# Altium PCB Apalis-Smart-Vision-Baseboard.PcbDoc (part 4 of 6)
Units mm, origin at the board's own origin, x right, y up, seen from the top; angles counter-clockwise.
Board outline 100 x 70 mm, 4 copper layers (Top Layer, Power Plane, Ground Plane, Bottom Layer), stack 1.52 mm thick; 202 components, 197 nets, 1190 pads, 441 vias.
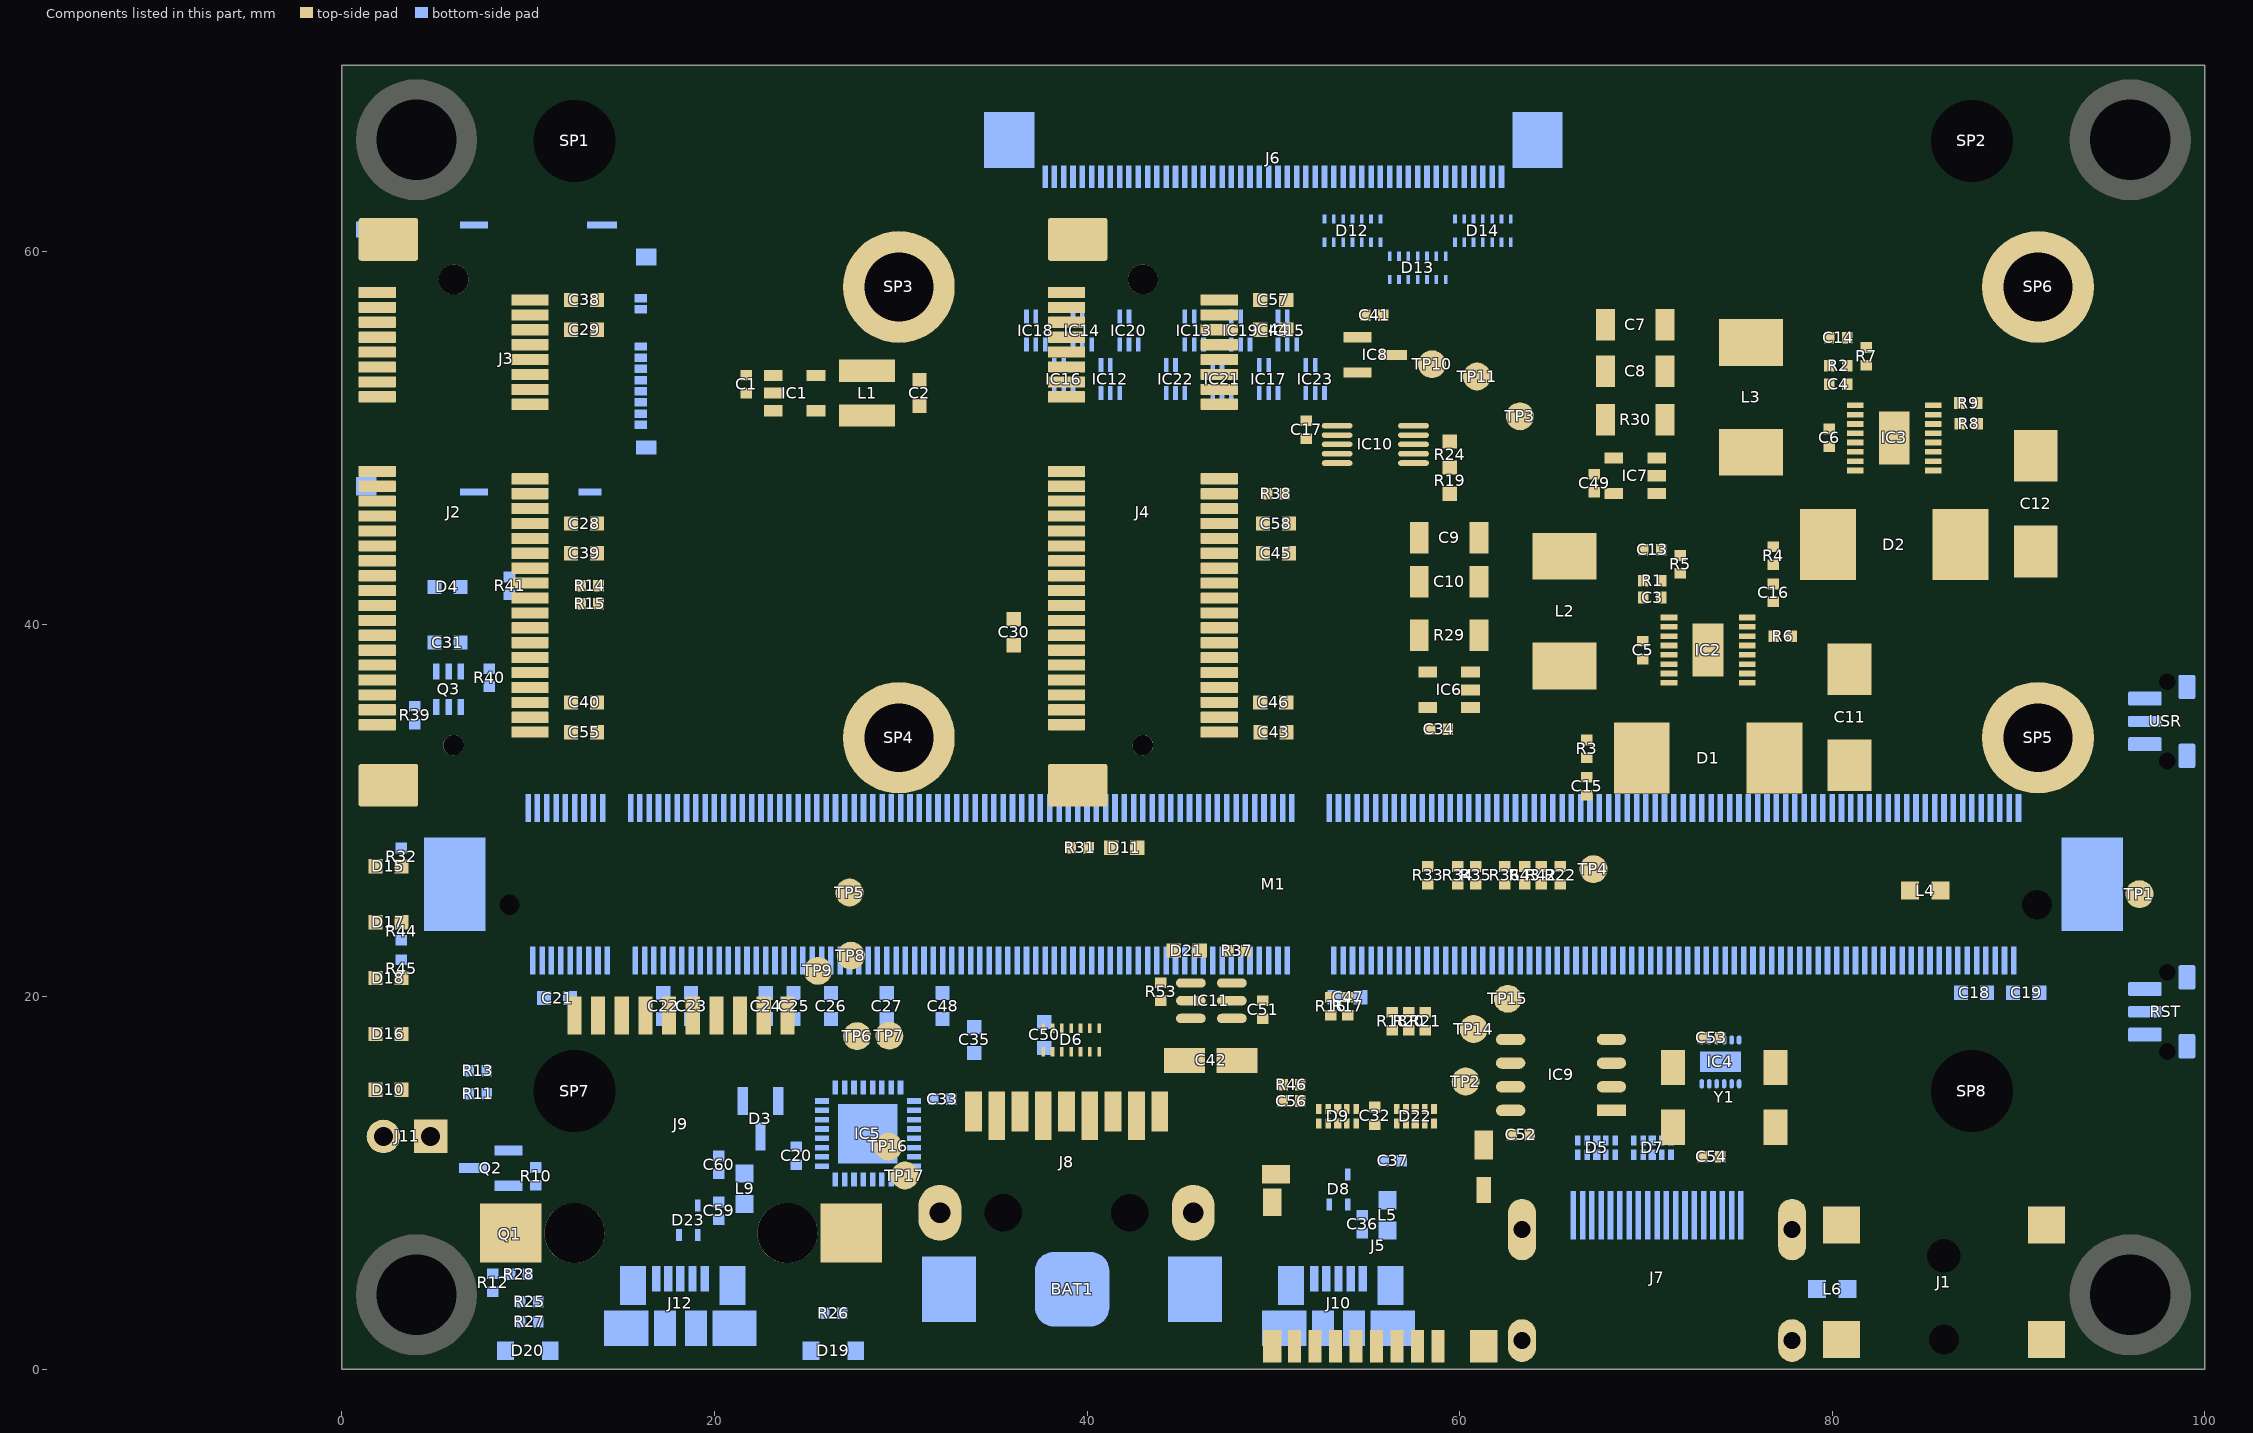
[diagram p6: the components of this part, seen from the top]

## Via types
v1: diameter 0.6, hole 0.25, Top Layer to Bottom Layer, tented both sides, 440 vias
v2: diameter 0.6, hole 0.25, Top Layer to Bottom Layer, 1 vias

## Nets (pads, with @x,y where several pads share a name; then routed paths per layer and width w, separated by ;. In a path a pad name is that pad's centre, name@x,y a point inside that pad or via, vN(x,y) a via of type N, cw(c..) or ccw(c..) an arc to the next point about the centre after c; other vN are vias at no path point) (continued)
copper on no net: (continued)
  Bottom Layer w0.009: 92.266,8.979 92.863,8.979 ; 92.266,8.988 92.863,8.988 ; 92.266,8.998 92.863,8.998 ; 92.266,9.007 92.863,9.007 ; 92.266,9.016 92.863,9.016 ; 92.266,9.025 92.863,9.025 ; 92.266,9.034 92.863,9.034 ; 92.266,9.043 92.863,9.043 ; 92.266,9.053 92.863,9.053 ; 92.266,9.062 92.863,9.062 ; 92.266,9.071 92.863,9.071 ; 92.266,9.08 92.863,9.08 ; 92.266,9.089 92.863,9.089 ; 92.266,9.099 92.413,9.099 ; 92.276,9.108 92.413,9.108 ; 92.276,9.117 92.413,9.117 ; 92.276,9.126 92.413,9.126 ; 92.276,9.135 92.413,9.135 ; 92.276,9.144 92.413,9.144 ; 92.276,9.154 92.422,9.154 ; 92.276,9.163 92.422,9.163 ; 92.276,9.172 92.422,9.172 ; 92.285,8.777 92.799,8.777 ; 92.285,9.181 92.432,9.181 ; 92.285,9.19 92.432,9.19 ; 92.285,9.2 92.441,9.2 ; 92.294,8.768 92.79,8.768 ; 92.294,9.209 92.45,9.209 ; 92.294,9.218 92.45,9.218 ; 92.294,9.227 92.459,9.227 ; 92.303,8.759 92.781,8.759 ; 92.303,8.786 92.808,8.786 ; 92.303,9.236 92.468,9.236 ; 92.303,9.245 92.487,9.245 ; 92.312,8.75 92.771,8.75 ; 92.312,8.796 92.505,8.796 ; 92.312,9.255 92.505,9.255 ; 92.312,9.264 92.533,9.264 ; 92.321,8.74 92.762,8.74 ; 92.321,8.805 92.478,8.805 ; 92.321,9.273 92.799,9.273 ; 92.331,8.731 92.762,8.731 ; 92.331,8.814 92.45,8.814 ; 92.331,9.282 92.799,9.282 ; 92.34,8.722 92.744,8.722 ; 92.34,8.823 92.441,8.823 ; 92.34,9.291 92.79,9.291 ; 92.349,9.301 92.781,9.301 ; 92.349,9.31 92.771,9.31 ; 92.358,8.713 92.735,8.713 ; 92.358,8.832 92.422,8.832 ; 92.358,9.319 92.771,9.319 ; 92.367,8.841 92.413,8.841 ; 92.377,8.704 92.716,8.704 ; 92.377,8.851 92.395,8.851 ; 92.377,9.328 92.753,9.328 ; 92.386,9.337 92.744,9.337 ; 92.395,8.695 92.698,8.695 ; 92.395,9.346 92.735,9.346 ; 92.413,8.685 92.68,8.685 ; 92.413,9.356 92.725,9.356 ; 92.432,9.365 92.707,9.365 ; 92.441,8.676 92.661,8.676 ; 92.45,9.374 92.689,9.374 ; 92.468,8.667 92.615,8.667 ; 92.468,9.383 92.661,9.383 ; 92.505,9.392 92.624,9.392 ; 92.588,8.796 92.808,8.796 ; 92.606,9.264 92.808,9.264 ; 92.624,8.805 92.817,8.805 ; 92.634,9.255 92.817,9.255 ; 92.643,8.814 92.817,8.814 ; 92.652,8.823 92.826,8.823 ; 92.652,9.245 92.817,9.245 ; 92.661,9.236 92.817,9.236 ; 92.67,8.832 92.826,8.832 ; 92.67,9.227 92.826,9.227 ; 92.68,8.841 92.836,8.841 ; 92.68,9.218 92.826,9.218 ; 92.689,8.851 92.836,8.851 ; 92.689,8.86 92.836,8.86 ; 92.689,9.209 92.836,9.209 ; 92.698,8.869 92.845,8.869 ; 92.698,8.878 92.845,8.878 ; 92.698,9.19 92.836,9.19 ; 92.698,9.2 92.836,9.2 ; 92.707,8.887 92.845,8.887 ; 92.707,8.897 92.845,8.897 ; 92.707,9.172 92.845,9.172 ; 92.707,9.181 92.845,9.181 ; 92.716,8.906 92.854,8.906 ; 92.716,8.915 92.854,8.915 ; 92.716,8.924 92.854,8.924 ; 92.716,8.933 92.854,8.933 ; 92.716,9.126 92.854,9.126 ; 92.716,9.135 92.854,9.135 ; 92.716,9.144 92.854,9.144 ; 92.716,9.154 92.845,9.154 ; 92.716,9.163 92.845,9.163 ; 92.725,8.942 92.854,8.942 ; 92.725,8.952 92.854,8.952 ; 92.725,8.961 92.854,8.961 ; 92.725,8.97 92.863,8.97 ; 92.725,9.099 92.854,9.099 ; 92.725,9.108 92.854,9.108 ; 92.725,9.117 92.854,9.117 ; 92.909,8.786 93.423,8.786 ; 92.909,9.273 93.423,9.273 ; 92.918,8.777 93.414,8.777 ; 92.918,9.282 93.414,9.282 ; 92.927,8.768 93.414,8.768 ; 92.927,8.796 93.432,8.796 ; 92.927,9.264 93.432,9.264 ; 92.927,9.291 93.414,9.291 ; 92.937,8.759 93.405,8.759 ; 92.937,8.805 93.12,8.805 ; 92.937,9.255 93.12,9.255 ; 92.937,9.301 93.405,9.301 ; 92.946,8.75 93.396,8.75 ; 92.946,8.814 93.093,8.814 ; 92.946,9.245 93.093,9.245 ; 92.946,9.31 93.396,9.31 ; 92.955,8.74 93.387,8.74 ; 92.955,8.823 93.074,8.823 ; 92.955,9.236 93.074,9.236 ; 92.955,9.319 93.387,9.319 ; 92.964,8.731 93.377,8.731 ; 92.964,8.832 93.056,8.832 ; 92.964,9.227 93.056,9.227 ; 92.964,9.328 93.377,9.328 ; 92.973,8.722 93.359,8.722 ; 92.973,8.841 93.047,8.841 ; 92.973,9.218 93.047,9.218 ; 92.983,8.851 93.038,8.851 ; 92.983,9.209 93.038,9.209 ; 92.983,9.337 93.359,9.337 ; 92.992,8.713 93.35,8.713 ; 92.992,8.86 93.028,8.86 ; 92.992,9.2 93.028,9.2 ; 92.992,9.346 93.35,9.346 ; 93.001,8.869 93.019,8.869 ; 93.001,9.19 93.019,9.19 ; 93.01,8.704 93.331,8.704 ; 93.01,9.356 93.331,9.356 ; 93.019,8.695 93.313,8.695 ; 93.019,9.365 93.313,9.365 ; 93.047,8.685 93.295,8.685 ; 93.047,9.374 93.295,9.374 ; 93.047,11.789 95.076,11.789 ; 93.047,11.798 95.076,11.798 ; 93.047,11.807 95.067,11.807 ; 93.047,11.816 95.067,11.816 ; 93.047,11.826 95.058,11.826 ; 93.047,11.835 95.058,11.835 ; 93.047,11.844 95.058,11.844 ; 93.047,11.853 95.048,11.853 ; 93.047,11.862 95.048,11.862 ; 93.047,11.871 95.048,11.871 ; 93.047,11.881 95.039,11.881 ; 93.047,11.89 95.039,11.89 ; 93.047,11.899 95.039,11.899 ; 93.047,11.908 95.03,11.908 ; 93.047,11.917 95.03,11.917 ; 93.047,11.927 95.03,11.927 ; 93.047,11.936 95.021,11.936 ; 93.047,11.945 95.021,11.945 ; 93.047,11.954 95.021,11.954 ; 93.047,11.963 95.021,11.963 ; 93.047,11.972 95.012,11.972 ; 93.047,11.982 95.012,11.982 ; 93.047,11.991 95.012,11.991 ; 93.047,12 95.012,12 ; 93.047,12.009 95.012,12.009 ; 93.047,12.018 95.003,12.018 ; 93.047,12.028 95.003,12.028 ; 93.047,12.037 95.003,12.037 ; 93.047,12.046 95.003,12.046 ; 93.047,12.055 95.003,12.055 ; 93.047,12.064 95.003,12.064 ; 93.047,12.073 95.003,12.073 ; 93.047,12.083 95.003,12.083 ; 93.047,12.092 95.003,12.092 ; 93.047,12.101 95.003,12.101 ; 93.047,12.11 95.003,12.11 ; 93.047,12.119 95.003,12.119 ; 93.047,12.129 94.993,12.129 ; 93.047,12.138 95.003,12.138 ; 93.047,12.147 95.003,12.147 ; 93.047,12.156 95.003,12.156 ; 93.047,12.165 95.003,12.165 ; 93.047,12.174 95.003,12.174 ; 93.047,12.184 95.003,12.184 ; 93.047,12.193 95.003,12.193 ; 93.047,12.202 95.003,12.202 ; 93.047,12.211 95.003,12.211 ; 93.047,12.22 95.003,12.22 ; 93.047,12.23 95.003,12.23 ; 93.047,12.239 95.003,12.239 ; 93.047,12.248 95.012,12.248 ; 93.047,12.257 95.012,12.257 ; 93.047,12.266 95.012,12.266 ; 93.047,12.275 95.012,12.275 ; 93.047,12.285 95.012,12.285 ; 93.047,12.294 95.012,12.294 ; 93.047,12.303 95.021,12.303 ; 93.047,12.312 95.021,12.312 ; 93.047,12.321 95.021,12.321 ; 93.047,12.331 95.021,12.331 ; 93.047,12.34 95.03,12.34 ; 93.047,12.349 95.03,12.349 ; 93.047,12.358 95.03,12.358 ; 93.047,12.367 95.039,12.367 ; 93.047,12.376 95.039,12.376 ; 93.047,12.386 95.039,12.386 ; 93.047,12.395 95.048,12.395 ; 93.047,12.404 95.048,12.404 ; 93.047,12.413 95.048,12.413 ; 93.047,12.422 95.058,12.422 ; 93.047,12.432 95.058,12.432 ; 93.047,12.441 95.067,12.441 ; 93.047,12.45 95.067,12.45 ; 93.047,12.459 95.076,12.459 ; 93.047,12.468 95.076,12.468 ; 93.047,12.477 95.085,12.477 ; 93.047,12.487 95.085,12.487 ; 93.056,7.831 93.653,7.831 ; 93.056,7.841 93.653,7.841 ; 93.056,7.85 93.653,7.85 ; 93.056,7.859 93.653,7.859 ; 93.056,7.868 93.653,7.868 ; 93.056,7.886 93.653,7.886 ; 93.056,7.896 93.653,7.896 ; 93.056,7.905 93.653,7.905 ; 93.056,7.914 93.653,7.914 ; 93.056,7.923 93.653,7.923 ; 93.056,7.932 93.653,7.932 ; 93.056,11.77 95.085,11.77 ; 93.056,11.78 95.085,11.78 ; 93.056,12.496 95.094,12.496 ; 93.065,7.877 93.653,7.877 ; 93.065,7.942 93.203,7.942 ; 93.065,7.951 93.203,7.951 ; 93.065,7.96 93.203,7.96 ; 93.065,7.969 93.203,7.969 ; 93.065,7.978 93.203,7.978 ; 93.065,7.988 93.203,7.988 ; 93.065,7.997 93.212,7.997 ; 93.065,8.006 93.212,8.006 ; 93.065,8.015 93.212,8.015 ; 93.065,8.676 93.267,8.676 ; 93.065,12.505 95.094,12.505 ; 93.074,8.024 93.221,8.024 ; 93.074,8.033 93.221,8.033 ; 93.074,8.043 93.23,8.043 ; 93.074,8.052 93.23,8.052 ; 93.074,9.383 93.267,9.383 ; 93.074,11.761 95.094,11.761 ; 93.084,7.62 93.579,7.62 ; 93.084,7.629 93.589,7.629 ; 93.084,8.061 93.24,8.061 ; 93.084,8.07 93.249,8.07 ; 93.093,7.611 93.579,7.611 ; 93.093,7.639 93.598,7.639 ; 93.093,8.079 93.258,8.079 ; 93.093,8.089 93.267,8.089 ; 93.102,7.602 93.57,7.602 ; 93.102,7.648 93.286,7.648 ; 93.102,8.098 93.286,8.098 ; 93.102,8.107 93.304,8.107 ; 93.102,8.667 93.24,8.667 ; 93.102,9.392 93.23,9.392 ; 93.102,12.514 95.104,12.514 ; 93.111,7.593 93.561,7.593 ; 93.111,8.116 93.35,8.116 ; 93.111,8.125 93.589,8.125 ; 93.111,11.752 95.094,11.752 ; 93.12,7.584 93.552,7.584 ; 93.12,7.657 93.258,7.657 ; 93.12,8.134 93.579,8.134 ; 93.129,7.574 93.543,7.574 ; 93.129,7.666 93.24,7.666 ; 93.129,8.144 93.579,8.144 ; 93.139,7.675 93.221,7.675 ; 93.139,8.153 93.57,8.153 ; 93.148,7.565 93.524,7.565 ; 93.148,7.684 93.212,7.684 ; 93.148,8.162 93.561,8.162 ; 93.148,12.523 95.104,12.523 ; 93.157,7.556 93.515,7.556 ; 93.157,7.694 93.194,7.694 ; 93.157,8.171 93.552,8.171 ; 93.157,11.743 95.104,11.743 ; 93.166,7.703 93.185,7.703 ; 93.166,8.18 93.543,8.18 ; 93.175,7.547 93.497,7.547 ; 93.175,8.19 93.533,8.19 ; 93.194,7.538 93.478,7.538 ; 93.194,8.199 93.524,8.199 ; 93.194,12.533 95.113,12.533 ; 93.203,8.208 93.506,8.208 ; 93.212,8.805 93.442,8.805 ; 93.212,9.255 93.442,9.255 ; 93.212,11.734 95.113,11.734 ; 93.221,7.528 93.46,7.528 ; 93.221,8.217 93.488,8.217 ; 93.24,8.226 93.469,8.226 ; 93.24,8.814 93.442,8.814 ; 93.24,9.245 93.442,9.245 ; 93.249,7.519 93.423,7.519 ; 93.249,12.542 95.122,12.542 ; 93.258,8.823 93.451,8.823 ; 93.258,9.236 93.451,9.236 ; 93.258,11.725 95.113,11.725 ; 93.276,8.235 93.442,8.235 ; 93.276,8.832 93.451,8.832 ; 93.276,9.227 93.451,9.227 ; 93.286,8.841 93.46,8.841 ; 93.286,9.218 93.46,9.218 ; 93.295,8.851 93.46,8.851 ; 93.295,9.209 93.46,9.209 ; 93.295,12.551 95.122,12.551 ; 93.304,8.86 93.469,8.86 ; 93.304,9.2 93.46,9.2 ; 93.304,11.715 95.122,11.715 ; 93.313,8.869 93.469,8.869 ; 93.313,9.19 93.469,9.19 ; 93.322,7.51 93.35,7.51 ; 93.322,8.245 93.396,8.245 ; 93.322,8.878 93.469,8.878 ; 93.322,8.887 93.469,8.887 ; 93.322,9.172 93.469,9.172 ; 93.322,9.181 93.469,9.181 ; 93.331,8.897 93.478,8.897 ; 93.331,8.906 93.478,8.906 ; 93.331,8.915 93.478,8.915 ; 93.331,9.144 93.478,9.144 ; 93.331,9.154 93.478,9.154 ; 93.331,9.163 93.478,9.163 ; 93.341,8.924 93.478,8.924 ; 93.341,8.933 93.488,8.933 ; 93.341,8.942 93.488,8.942 ; 93.341,8.952 93.488,8.952 ; 93.341,9.108 93.488,9.108 ; 93.341,9.117 93.488,9.117 ; 93.341,9.126 93.488,9.126 ; 93.341,9.135 93.478,9.135 ; 93.341,12.56 95.131,12.56 ; 93.35,8.961 93.488,8.961 ; 93.35,8.97 93.488,8.97 ; 93.35,8.979 93.488,8.979 ; 93.35,8.988 93.488,8.988 ; 93.35,8.998 93.488,8.998 ; 93.35,9.007 93.488,9.007 ; 93.35,9.016 93.488,9.016 ; 93.35,9.025 93.497,9.025 ; 93.35,9.034 93.497,9.034 ; 93.35,9.043 93.488,9.043 ; 93.35,9.053 93.488,9.053 ; 93.35,9.062 93.488,9.062 ; 93.35,9.071 93.488,9.071 ; 93.35,9.08 93.488,9.08 ; 93.35,9.089 93.488,9.089 ; 93.35,9.099 93.488,9.099 ; 93.359,11.706 95.131,11.706 ; 93.368,8.116 93.598,8.116 ; 93.396,7.648 93.598,7.648 ; 93.396,12.569 95.14,12.569 ; 93.405,11.697 95.131,11.697 ; 93.414,8.107 93.598,8.107 ; 93.423,7.657 93.607,7.657 ; 93.432,8.098 93.607,8.098 ; 93.442,7.666 93.607,7.666 ; 93.442,12.578 95.14,12.578 ; 93.451,7.675 93.616,7.675 ; 93.451,8.089 93.607,8.089 ; 93.451,11.688 95.14,11.688 ; 93.46,7.684 93.616,7.684 ; 93.46,8.079 93.616,8.079 ; 93.469,7.694 93.625,7.694 ; 93.469,8.07 93.616,8.07 ; 93.478,7.703 93.625,7.703 ; 93.478,8.061 93.625,8.061 ; 93.488,7.712 93.634,7.712 ; 93.488,7.721 93.634,7.721 ; 93.488,8.043 93.634,8.043 ; 93.488,8.052 93.625,8.052 ; 93.488,9.337 93.791,9.337 ; 93.488,9.346 93.781,9.346 ; 93.497,7.73 93.634,7.73 ; 93.497,7.74 93.634,7.74 ; 93.497,8.024 93.634,8.024 ; 93.497,8.033 93.634,8.033 ; 93.497,9.328 93.8,9.328 ; 93.497,9.356 93.772,9.356 ; 93.497,12.588 95.149,12.588 ; 93.506,7.749 93.644,7.749 ; 93.506,7.758 93.644,7.758 ; 93.506,7.767 93.644,7.767 ; 93.506,7.776 93.644,7.776 ; 93.506,7.988 93.644,7.988 ; 93.506,7.997 93.644,7.997 ; 93.506,8.006 93.644,8.006 ; 93.506,8.015 93.634,8.015 ; 93.506,9.319 93.809,9.319 ; 93.506,11.679 95.149,11.679 ; 93.515,7.785 93.644,7.785 ; 93.515,7.795 93.644,7.795 ; 93.515,7.804 93.653,7.804 ; 93.515,7.813 93.653,7.813 ; 93.515,7.822 93.653,7.822 ; 93.515,7.942 93.653,7.942 ; 93.515,7.951 93.653,7.951 ; 93.515,7.96 93.644,7.96 ; 93.515,7.969 93.644,7.969 ; 93.515,7.978 93.644,7.978 ; 93.515,9.31 93.965,9.31 ; 93.515,9.365 93.754,9.365 ; 93.524,9.301 93.965,9.301 ; 93.533,9.282 93.965,9.282 ; 93.533,9.291 93.965,9.291 ; 93.533,9.374 93.745,9.374 ; 93.543,9.273 93.965,9.273 ; 93.543,12.597 95.159,12.597 ; 93.552,9.264 93.965,9.264 ; 93.552,9.383 93.717,9.383 ; 93.552,11.669 95.149,11.669 ; 93.561,9.255 93.644,9.255 ; 93.57,9.245 93.625,9.245 ; 93.579,9.227 93.589,9.227 ; 93.579,9.236 93.607,9.236 ; 93.579,9.392 93.69,9.392 ; 93.589,10.476 95.085,10.476 ; 93.589,10.485 95.085,10.485 ; 93.589,12.606 95.168,12.606 ; 93.589,13.781 97.932,13.781 ; 93.589,13.79 97.932,13.79 ; 93.598,10.457 95.076,10.457 ; 93.598,10.467 95.076,10.467 ; 93.598,10.494 95.085,10.494 ; 93.598,10.503 95.094,10.503 ; 93.598,13.763 97.922,13.763 ; 93.598,13.772 97.922,13.772 ; 93.598,13.8 97.922,13.8 ; 93.598,13.809 97.922,13.809 ; 93.607,10.448 95.067,10.448 ; 93.607,10.513 95.094,10.513 ; 93.607,10.522 95.104,10.522 ; 93.607,11.66 95.159,11.66 ; 93.607,13.754 97.913,13.754 ; 93.607,13.818 97.913,13.818 ; 93.616,10.439 95.067,10.439 ; 93.616,10.531 95.104,10.531 ; 93.616,13.735 97.904,13.735 ; 93.616,13.745 97.904,13.745 ; 93.616,13.827 97.904,13.827 ; 93.625,10.43 95.067,10.43 ; 93.625,10.54 95.113,10.54 ; 93.625,10.549 95.113,10.549 ; 93.625,13.726 97.895,13.726 ; 93.625,13.836 97.895,13.836 ; 93.634,10.421 95.058,10.421 ; 93.634,10.558 95.113,10.558 ; 93.634,13.708 97.886,13.708 ; 93.634,13.717 97.886,13.717 ; 93.634,13.846 97.886,13.846 ; 93.644,10.412 95.058,10.412 ; 93.644,10.568 95.122,10.568 ; 93.644,10.577 95.122,10.577 ; 93.644,12.615 95.168,12.615 ; 93.644,13.699 97.876,13.699 ; 93.644,13.855 97.876,13.855 ; 93.653,10.402 95.048,10.402 ; 93.653,10.586 95.131,10.586 ; 93.653,11.651 95.168,11.651 ; 93.653,13.68 97.867,13.68 ; 93.653,13.689 97.867,13.689 ; 93.653,13.864 97.867,13.864 ; 93.662,10.393 95.048,10.393 ; 93.662,10.595 95.131,10.595 ; 93.662,13.671 97.858,13.671 ; 93.662,13.873 97.858,13.873 ; 93.671,8.19 93.974,8.19 ; 93.671,8.199 93.965,8.199 ; 93.671,10.384 95.039,10.384 ; 93.671,10.604 95.131,10.604 ; 93.671,10.614 95.14,10.614 ; 93.671,13.653 97.849,13.653 ; 93.671,13.662 97.849,13.662 ; 93.671,13.882 97.849,13.882 ; 93.68,8.18 93.983,8.18 ; 93.68,8.208 93.947,8.208 ; 93.68,10.375 95.039,10.375 ; 93.68,10.623 95.14,10.623 ; 93.68,13.644 97.84,13.644 ; 93.68,13.891 97.84,13.891 ; 93.69,8.162 94.149,8.162 ; 93.69,8.171 93.993,8.171 ; 93.69,10.366 95.039,10.366 ; 93.69,10.632 95.149,10.632 ; 93.69,10.641 95.149,10.641 ; 93.69,12.624 95.177,12.624 ; 93.69,13.625 97.831,13.625 ; 93.69,13.634 97.831,13.634 ; 93.69,13.901 94.709,13.901 ; 93.699,8.153 94.149,8.153 ; 93.699,8.217 93.937,8.217 ; 93.699,10.356 95.03,10.356 ; 93.699,10.65 95.149,10.65 ; 93.699,11.642 95.177,11.642 ; 93.699,13.616 97.821,13.616 ; 93.699,13.91 94.69,13.91 ; 93.708,8.144 94.149,8.144 ; 93.708,10.347 95.03,10.347 ; 93.708,10.659 95.159,10.659 ; 93.708,10.669 95.159,10.669 ; 93.708,13.607 97.812,13.607 ; 93.708,13.919 94.681,13.919 ; 93.717,8.134 94.149,8.134 ; 93.717,8.226 93.919,8.226 ; 93.717,9.255 93.965,9.255 ; 93.717,10.338 94.672,10.338 ; 93.717,10.678 95.168,10.678 ; 93.717,13.588 97.803,13.588 ; 93.717,13.598 97.803,13.598 ; 93.717,13.928 94.672,13.928 ; 93.726,8.125 94.149,8.125 ; 93.726,10.329 94.654,10.329 ; 93.726,10.687 95.168,10.687 ; 93.726,10.696 95.177,10.696 ; 93.726,13.579 97.794,13.579 ; 93.726,13.937 94.654,13.937 ; 93.735,8.107 93.846,8.107 ; 93.735,8.116 94.149,8.116 ; 93.735,10.32 94.635,10.32 ; 93.735,10.705 95.177,10.705 ; 93.735,11.633 95.186,11.633 ; 93.735,12.634 95.186,12.634 ; 93.735,13.561 97.785,13.561 ; 93.735,13.57 97.785,13.57 ; 93.735,13.947 94.644,13.947 ; 93.745,8.098 93.809,8.098 ; 93.745,8.235 93.892,8.235 ; 93.745,9.245 93.965,9.245 ; 93.745,10.311 94.626,10.311 ; 93.745,10.715 95.177,10.715 ; 93.745,10.724 95.186,10.724 ; 93.745,13.552 97.775,13.552 ; 93.745,13.956 94.626,13.956 ; 93.754,8.089 93.791,8.089 ; 93.754,10.301 94.608,10.301 ; 93.754,10.733 95.186,10.733 ; 93.754,11.614 95.195,11.614 ; 93.754,11.624 95.195,11.624 ; 93.754,12.643 95.195,12.643 ; 93.754,13.533 97.766,13.533 ; 93.754,13.543 97.766,13.543 ; 93.754,13.965 94.617,13.965 ; 93.763,8.079 93.781,8.079 ; 93.763,9.236 93.965,9.236 ; 93.763,10.292 94.599,10.292 ; 93.763,10.742 95.195,10.742 ; 93.763,11.605 95.205,11.605 ; 93.763,13.524 97.757,13.524 ; 93.763,13.974 94.599,13.974 ; 93.772,8.245 93.846,8.245 ; 93.772,9.227 93.965,9.227 ; 93.772,10.283 94.58,10.283 ; 93.772,10.751 95.195,10.751 ; 93.772,10.76 95.195,10.76 ; 93.772,11.578 95.241,11.578 ; 93.772,11.587 95.223,11.587 ; 93.772,11.596 95.214,11.596 ; 93.772,12.652 95.205,12.652 ; 93.772,13.506 97.748,13.506 ; 93.772,13.515 97.748,13.515 ; 93.772,13.983 94.589,13.983 ; 93.781,9.218 93.965,9.218 ; 93.781,10.274 94.571,10.274 ; 93.781,10.77 95.205,10.77 ; 93.781,11.559 95.26,11.559 ; 93.781,11.568 95.25,11.568 ; 93.781,12.661 95.214,12.661 ; 93.781,12.67 95.223,12.67 ; 93.781,13.497 97.739,13.497 ; 93.781,13.992 94.571,13.992 ; 93.791,9.209 93.965,9.209 ; 93.791,10.265 94.562,10.265 ; 93.791,10.779 95.205,10.779 ; 93.791,10.788 95.214,10.788 ; 93.791,11.532 95.287,11.532 ; 93.791,11.541 95.278,11.541 ; 93.791,11.55 95.269,11.55 ; 93.791,12.679 95.232,12.679 ; 93.791,12.689 95.241,12.689 ; 93.791,13.478 97.73,13.478 ; 93.791,13.487 97.73,13.487 ; 93.791,14.002 94.562,14.002 ; 93.8,9.2 93.965,9.2 ; 93.8,10.255 94.543,10.255 ; 93.8,10.797 95.214,10.797 ; 93.8,11.513 95.315,11.513 ; 93.8,11.523 95.306,11.523 ; 93.8,12.698 95.25,12.698 ; 93.8,12.707 95.26,12.707 ; 93.8,12.716 95.269,12.716 ; 93.8,13.469 97.72,13.469 ; 93.8,14.011 94.543,14.011 ; 93.809,9.181 93.965,9.181 ; 93.809,9.19 93.965,9.19 ; 93.809,10.246 94.534,10.246 ; 93.809,10.806 95.223,10.806 ; 93.809,10.816 95.223,10.816 ; 93.809,11.486 95.351,11.486 ; 93.809,11.495 95.342,11.495 ; 93.809,11.504 95.324,11.504 ; 93.809,12.725 95.287,12.725 ; 93.809,12.735 95.296,12.735 ; 93.809,13.451 97.711,13.451 ; 93.809,13.46 97.711,13.46 ; 93.809,14.02 94.534,14.02 ; 93.818,9.154 93.965,9.154 ; 93.818,9.163 93.965,9.163 ; 93.818,9.172 93.965,9.172 ; 93.818,10.237 94.516,10.237 ; 93.818,10.825 95.223,10.825 ; 93.818,11.467 95.379,11.467 ; 93.818,11.477 95.361,11.477 ; 93.818,12.744 95.306,12.744 ; 93.818,12.753 95.324,12.753 ; 93.818,13.442 97.702,13.442 ; 93.818,14.029 94.516,14.029 ; 93.827,8.676 93.965,8.676 ; 93.827,8.685 93.965,8.685 ; 93.827,8.695 93.965,8.695 ; 93.827,8.704 93.965,8.704 ; 93.827,8.713 93.965,8.713 ; 93.827,8.722 93.965,8.722 ; 93.827,8.731 93.965,8.731 ; 93.827,8.74 93.965,8.74 ; 93.827,8.75 93.965,8.75 ; 93.827,8.759 93.965,8.759 ; 93.827,8.768 93.965,8.768 ; 93.827,8.777 93.965,8.777 ; 93.827,8.786 93.965,8.786 ; 93.827,8.796 93.965,8.796 ; 93.827,8.805 93.965,8.805 ; 93.827,8.814 93.965,8.814 ; 93.827,8.823 93.965,8.823 ; 93.827,8.832 93.965,8.832 ; 93.827,8.841 93.965,8.841 ; 93.827,8.851 93.965,8.851 ; 93.827,8.86 93.965,8.86 ; 93.827,8.869 93.965,8.869 ; 93.827,8.878 93.965,8.878 ; 93.827,8.887 93.965,8.887 ; 93.827,8.897 93.965,8.897 ; 93.827,8.906 93.965,8.906 ; 93.827,8.915 93.965,8.915 ; 93.827,8.924 93.965,8.924 ; 93.827,8.933 93.965,8.933 ; 93.827,8.942 93.965,8.942 ; 93.827,8.952 93.965,8.952 ; 93.827,8.961 93.965,8.961 ; 93.827,8.97 93.965,8.97 ; 93.827,8.979 93.965,8.979 ; 93.827,8.988 93.965,8.988 ; 93.827,8.998 93.965,8.998 ; 93.827,9.007 93.965,9.007 ; 93.827,9.016 93.965,9.016 ; 93.827,9.025 93.965,9.025 ; 93.827,9.034 93.965,9.034 ; 93.827,9.043 93.965,9.043 ; 93.827,9.053 93.965,9.053 ; 93.827,9.062 93.965,9.062 ; 93.827,9.071 93.965,9.071 ; 93.827,9.08 93.965,9.08 ; 93.827,9.089 93.965,9.089 ; 93.827,9.099 93.965,9.099 ; 93.827,9.108 93.965,9.108 ; 93.827,9.117 93.965,9.117 ; 93.827,9.126 93.965,9.126 ; 93.827,9.135 93.965,9.135 ; 93.827,9.144 93.965,9.144 ; 93.827,9.319 93.965,9.319 ; 93.827,9.328 93.965,9.328 ; 93.827,9.337 93.965,9.337 ; 93.827,9.346 93.965,9.346 ; 93.827,9.356 93.965,9.356 ; 93.827,9.365 93.965,9.365 ; 93.827,9.374 93.965,9.374 ; 93.827,9.383 93.965,9.383 ; 93.827,10.228 94.507,10.228 ; 93.827,10.834 95.232,10.834 ; 93.827,10.843 95.232,10.843 ; 93.827,11.44 95.416,11.44 ; 93.827,11.449 95.407,11.449 ; 93.827,11.458 95.388,11.458 ; 93.827,12.762 95.333,12.762 ; 93.827,12.771 95.351,12.771 ; 93.827,12.78 95.361,12.78 ; 93.827,13.432 97.693,13.432 ; 93.827,14.038 94.507,14.038 ; 93.836,10.219 94.488,10.219 ; 93.836,10.852 